# Altium PCB NG2093.PcbDoc (part 3 of 8) (continued)
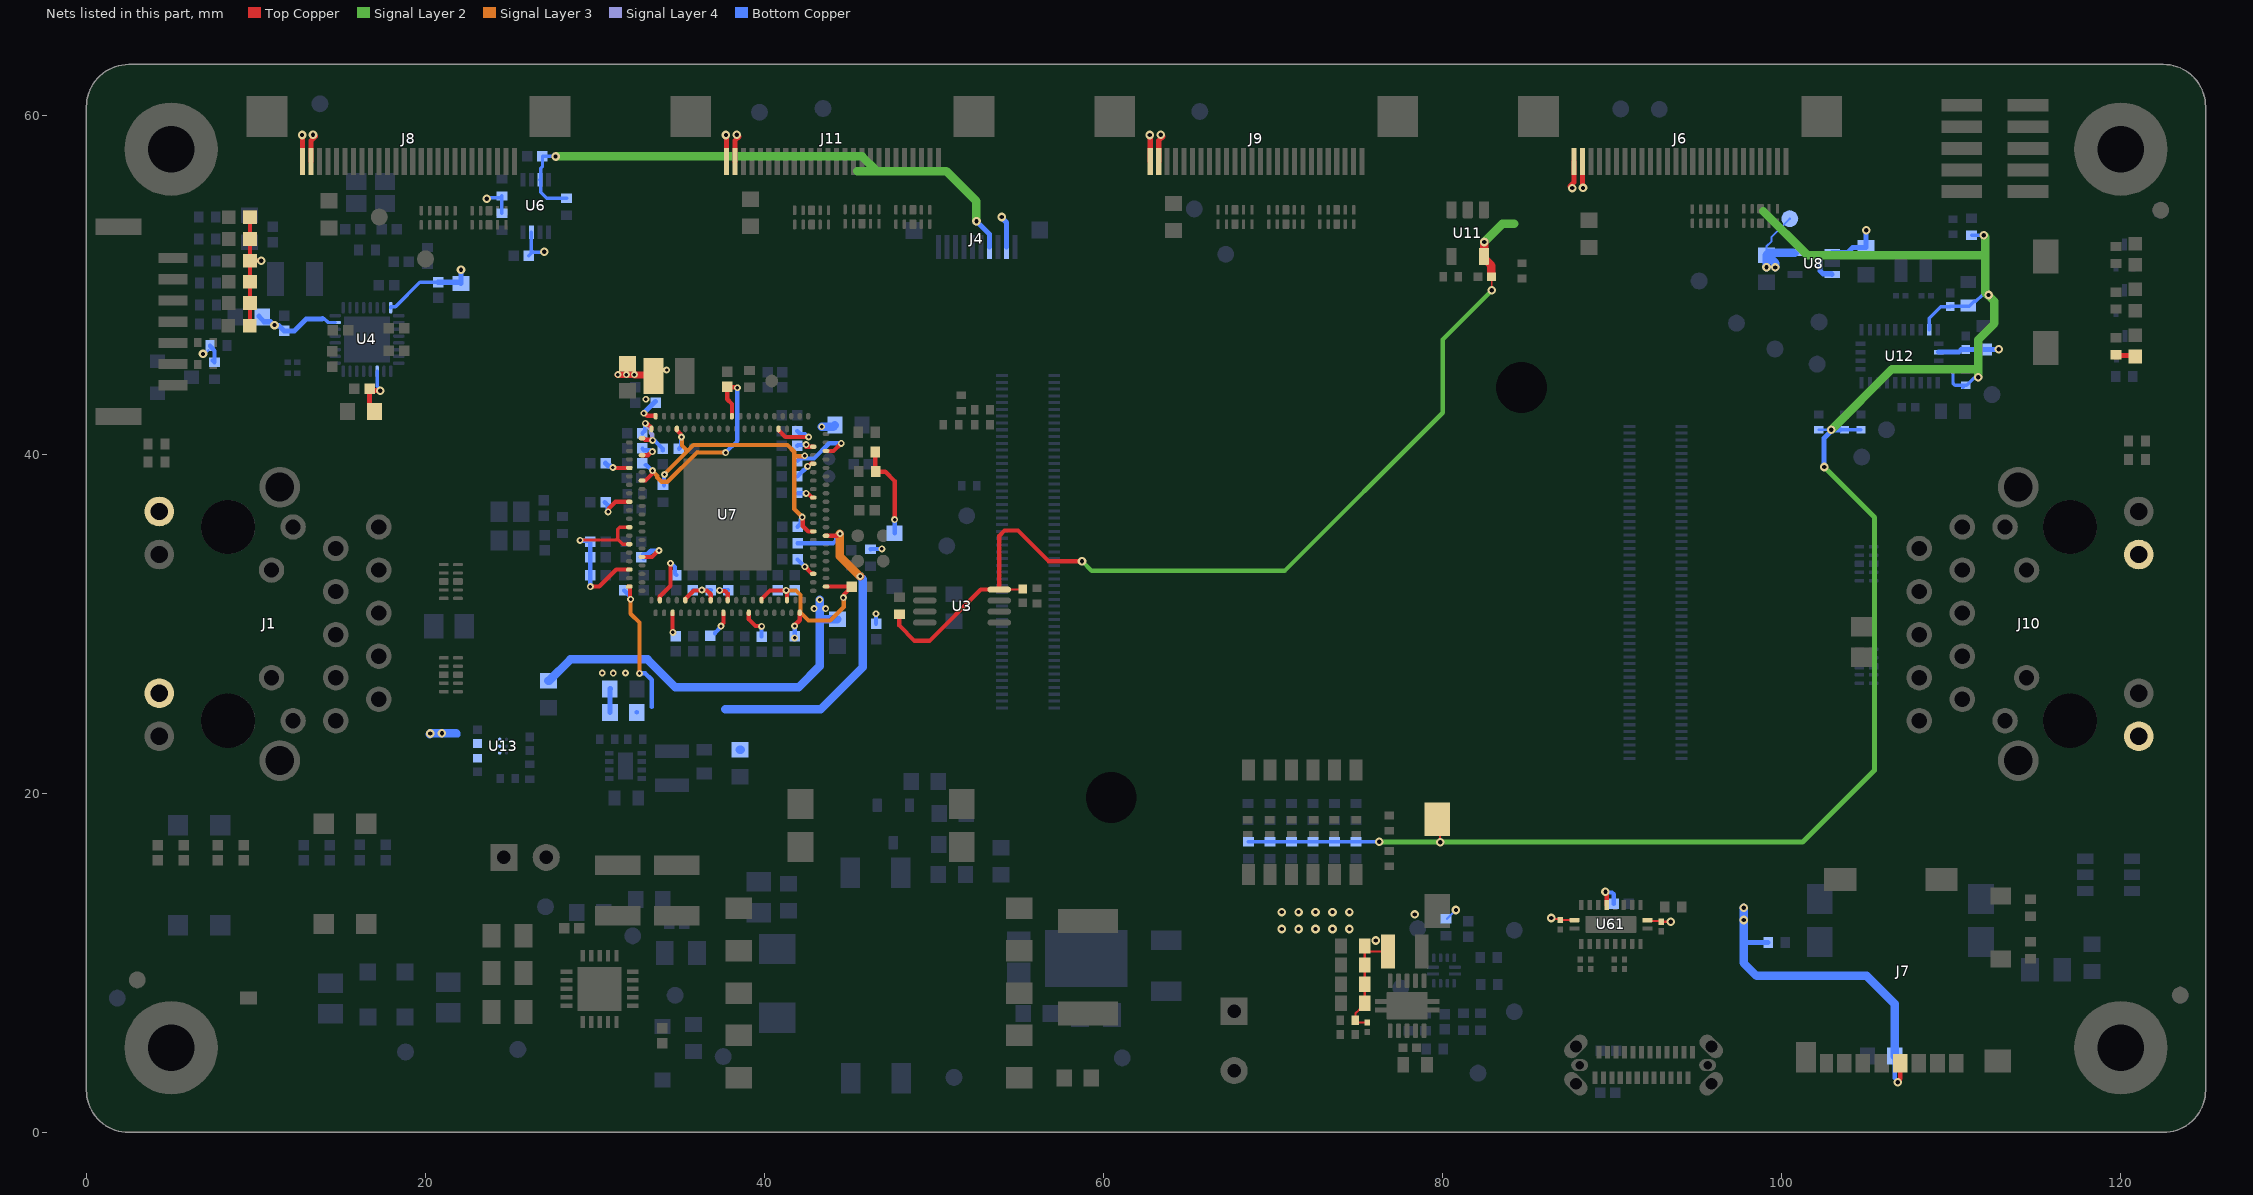
[diagram p7: the nets of this part, all layers, seen from the top]
## Part data (continued)
J4: library part SFV10R-2STE1HLF, "CONN FFC TOP 10POS 0.50MM R/A", Contact Resistance=30mR, Current Rating=500mA, Flammability Rating="UL94 V-0", Housing Color=Black, Insulation Resistance=100MR, Manufacturer 1="Amphenol FCI", Max Operating Temperature=105°C, Max Voltage Rating (AC)=50V, Min Operating Temperature=-55°C, Package Quantity=1, Supplier Part Number 1=609-4306-1-ND, Actuator Material=Glass,Polyphenylene, ComponentLink1Description=https://datasheet.ciiva.com/672/10112793-672039.pdf?src-supplier=Digi-Key, ComponentLink1URL=https://datasheet.ciiva.com/672/10112793-672039.pdf?src-supplier=Digi-Key, ComponentLink2Description=https://datasheet.ciiva.com/672/10112793-672040.pdf?src-supplier=Digi-Key, ComponentLink2URL=https://datasheet.ciiva.com/672/10112793-672040.pdf?src-supplier=Digi-Key, ComponentLink3Description=https://datasheet.ciiva.com/672/10112793-672041.pdf?src-supplier=Digi-Key, ComponentLink3URL=https://datasheet.ciiva.com/672/10112793-672041.pdf?src-supplier=Digi-Key, ComponentLink4Description=https://datasheet.ciiva.com/10368/10112793-10368361.pdf?src-supplier=Avnet, ComponentLink4URL=https://datasheet.ciiva.com/10368/10112793-10368361.pdf?src-supplier=Avnet, Contact Location=Top, Contact Material=Bronze, Contact Plating=Tin, Depth=4.9mm, Gender=Female, Housing Material=Polyamide, Lead Free="Lead Free", Length=10.5mm, Manufacturer Part Number 1=SFV10R-2STE1HLF, Max Voltage Rating (DC)=50V, Mount="Surface Mount", Number of Contacts=10, Number of Positions=10, Number of Rows=1, Orientation="Right Angle", Packaging="Tape and Reel", Pitch=0.5mm, Pricing 1="1=0.63000, 10=0.59300, 25=0.53360, 50=0.47420, 100=0.45440, 250=0.41488, 500=0.39512, 1000=0.32597 (USD)", Radiation Hardening=No, RoHS=Yes, Stock 1=78727, Supplier 1=Digi-Key, Supplier 2=Mouser, Supplier Part Number 2=649-SFV10R-2STE1HLF, System=Connector, Termination=Solder, Voltage Rating=50V, Wire/Cable Type=Straight
J5: "CONN HEADER SMD 10POS 1.27MM", Color=Black, Contact Resistance=30mR, Manufacturer 1="Amphenol FCI", Max Operating Temperature=85°C, Max Voltage Rating (AC)=125V, Min Operating Temperature=-40°C, Package Quantity=93, Supplier Part Number 1=609-6529-ND, ComponentLink1Description=https://datasheet.ciiva.com/18659/20021121-18659066.pdf?src-supplier=Digi-Key, ComponentLink1URL=https://datasheet.ciiva.com/18659/20021121-18659066.pdf?src-supplier=Digi-Key, ComponentLink2Description=https://datasheet.ciiva.com/10033/20021121-10033582.pdf?src-supplier=Avnet, ComponentLink2URL=https://datasheet.ciiva.com/10033/20021121-10033582.pdf?src-supplier=Avnet, Connector Type="Male Pin", Contact Material="Copper Alloy", Contact Mating Length=0.12inch, Contact Plating=Gold, Depth=3.4mm, Housing Color=Black, Housing Material=Thermoplastic, Length=6.35mm, Manufacturer Part Number 1=20021121-00010T1LF, Mount="Surface Mount", Number of Contacts=10, Number of Positions=10, Number of Rows=2, Orientation=Straight, Packaging=Rail/Tube, Pitch=1.27mm, Pricing 1="1=0.77000, 10=0.71800, 100=0.55040, 500=0.47860, 1000=0.39485, 5000=0.34699, 10000=0.32306 (USD)", RoHS=Yes, Row Spacing=0.05inch, Stock 1=1465, Supplier 1=Digi-Key, Supplier 2=Mouser, Supplier 3=TTI, Supplier Part Number 2=649-200211210010T1LF, Supplier Part Number 3=20021121-00010T1LF, Termination=Solder
J6 J8 J9 J11: library part F32R-1A7H1-11026, "26 Position FFC, FPC Connector Contacts, Bottom 0.020\" (0.50mm) Surface Mount, Right Angle", Current Rating=500mA, Flammability Rating="UL94 V-0", Manufacturer 1="Amphenol ICC (FCI)", Max Operating Temperature=105°C, Min Operating Temperature=-40°C, Supplier Part Number 1=609-F32R-1A7H1-11026CT-ND, Voltage Rating=50V, Category=Connectors, ComponentLink1Description=https://cdn.amphenol-icc.com/media/wysiwyg/files/drawing/f32r-f32j.pdf, ComponentLink1URL=https://cdn.amphenol-icc.com/media/wysiwyg/files/drawing/f32r-f32j.pdf, Contact Material=Bronze, Contact Plating=Tin, Manufacturer Part Number 1=F32R-1A7H1-11026, Mount="Surface Mount", Number of Positions=26, Packaging="Tape and Reel", Pitch=0.02inch, Pricing 1="1=0.77, 10=0.721, 100=0.5529, 500=0.4808 (USD)", RoHS=Yes, Stock 1=1709, Supplier 1=Digi-Key, Termination=Solder
J7: library part 104031-0811, "CONN MICRO SD CARD PUSH-PULL R/A", Manufacturer 1=Molex, Supplier Part Number 1=WM6357CT-ND, Manufacturer Part Number 1=104031-0811, Pricing 1="1=2.02000, 10=1.82900, 25=1.71680, 50=1.64220, 100=1.56760, 250=1.41828, 500=1.30630, 1000=1.11969 (USD)", RoHS=No, Stock 1=19400, Supplier 1=Digi-Key, Supplier 2=Newark, Supplier 3=Mouser, Supplier Part Number 2=99R5410, Supplier Part Number 3=538-104031-0811
J12: library part SM07B-GHS-TB(LF)(SN), "Conn Shrouded Header HDR 7 POS 1.25mm Solder RA Side Entry SMD T/R", Color=Natural, Current Rating=1A, Manufacturer 1=JST, Max Operating Temperature=85°C, Min Operating Temperature=-25°C, Voltage Rating (AC)=50V, Category="Headers and Wire Housings", ComponentLink1Description=https://datasheet.ciiva.com/712/egh-712501.pdf?src-supplier=Digi-Key, ComponentLink1URL=https://datasheet.ciiva.com/712/egh-712501.pdf?src-supplier=Digi-Key, ComponentLink2Description=https://datasheet.ciiva.com/730/egh-730606.pdf?src-supplier=Digi-Key, ComponentLink2URL=https://datasheet.ciiva.com/730/egh-730606.pdf?src-supplier=Digi-Key, ComponentLink3Description=https://datasheet.ciiva.com/22728/5438-22728669.pdf?src-supplier=Element14, ComponentLink3URL=https://datasheet.ciiva.com/22728/5438-22728669.pdf?src-supplier=Element14, Connector Type="Outer Shroud Contact", Contact Material=Bronze, Contact Plating=Tin, Fastening Type=Ramp, Housing Color=Natural, Housing Material=Nylon, Lead Free="Lead Free", Manufacturer Part Number 1=SM07B-GHS-TB(LF)(SN), Mount="Surface Mount", Number of Contacts=7, Number of Positions=7, Number of Rows=1, Packaging="Cut Tape", Pitch=0.049inch, Pricing 1="1=0.55000, 10=0.51400, 100=0.39440, 500=0.34298, 1000=0.28295 (USD)", REACH SVHC=Unknown, RoHS=Yes, Stock 1=13, Supplier 1=Digi-Key, Termination=Solder, Wire/Cable Gauge=26AWG
J14: library part CX80B1-24P, "CONN RCPT USB3.1 TYPEC 24POS SMD Vertical", Case/Package=0101, Current Rating=1.25A, Flammability Rating="UL94 V-0", Insulation Color=Black, Manufacturer 1="Hirose Electric Co Ltd", Max Operating Temperature=80°C, Min Operating Temperature=-30°C, Supplier Part Number 1=26-CX80B1-24PCT-ND, ComponentLink1Description="Product page", ComponentLink1URL=https://www.jae.com/en/connectors/series/detail/product/id=66513, ComponentLink2Description=Digikey, ComponentLink2URL=https://www.digikey.com/en/products/detail/jae-electronics/DX07S024WJ3R400/6594044, Connector Type=USB, Contact Material="Copper Alloy", Contact Plating=Gold, Features=Shielded, Gender=Receptacle, Housing Material=Thermoplastic, Length=8.94mm, Manufacturer Part Number 1=CX80B1-24P, Mating Cycles=10000, Mount="Surface Mount,Through Hole,Vertical", Number of Contacts=24, Number of Pins=24, Number of Ports=1, Number of Terminals=24, Orientation=Vertical, Packaging="Tape and Reel", Pitch=0.5mm, Pricing 1="1=2.15000, 10=1.94900, 25=1.82960, 50=1.75000, 100=1.67050, 250=1.51140, 500=1.39208 (USD)", REACH SVHC=Unknown, RoHS=Yes, Shielding=Shielded, Stock 1=939, Supplier 1=Digi-Key, Termination=Solder, USB Standard="USB 3.1"
L1: library part DO1608C-102ML, "IND POWER WIREWOUND 1uH 20% 100KHz FERRITE 2.7A", Case/Package=SMD/SMT, DC Resistance (DCR)=50mR, Inductance=1uH, Inductance Tolerance=20%, Manufacturer 1=Coilcraft, Manufacturer Part Number 1=DO1608C-102MLC, Max DC Current=2.7A, Max Operating Temperature=85°C, Min Operating Temperature=-40°C, Saturation Current=2.9A, Self Resonant Frequency=130MHz, Test Frequency=100kHz, ComponentLink1Description=https://datasheet.ciiva.com/22698/1681900-22698293.pdf?src-supplier=Element14, ComponentLink1URL=https://datasheet.ciiva.com/22698/1681900-22698293.pdf?src-supplier=Element14, ComponentLink2Description=https://datasheet.ciiva.com/22623/1681900-22623607.pdf?src-supplier=Element14, ComponentLink2URL=https://datasheet.ciiva.com/22623/1681900-22623607.pdf?src-supplier=Element14, ComponentLink3Description=https://datasheet.ciiva.com/13142/do1608c-13142540.pdf?src-supplier=Mouser, ComponentLink3URL=https://datasheet.ciiva.com/13142/do1608c-13142540.pdf?src-supplier=Mouser, Core Material=Ferrite, Height=2.92mm, Lead Free="Contains Lead", Length=6.6mm, Mount="Surface Mount", Packaging="Tape and Reel", Pricing 1="1=0.88000, 750=0.64000, 1500=0.49000, 3000=0.38000, 6000=0.31000 (USD)", REACH SVHC="No SVHC", RMS Current (Irms)=2.7A, RoHS=Yes, Stock 1=27185, Supplier 1="Coilcraft Direct", Supplier 2=Mouser, Supplier Part Number 1=DO1608C-102MLC, Supplier Part Number 2=994-DO1608C-102MLC, Termination=SMD/SMT, Tolerance=20%, Width=4.45mm
L2: library part LQH32NH2R2J23L, "FIXED IND 2.2UH 610MA 97MOHM SMD", Case/Package=Nonstandard, Current Rating=610mA, DC Resistance (DCR)=97mR, Inductance=2.2uH, Manufacturer 1=Murata, Max Operating Temperature=125°C, Min Operating Temperature=-40°C, Ratings=AEC-Q200, Self Resonant Frequency=75MHz, Supplier Part Number 1=490-17367-1-ND, Test Frequency=1MHz, Tolerance=5%, ComponentLink1Description=http://search.murata.co.jp/Ceramy/image/img/P02/JELF243A-9146.pdf?src-supplier=Digi-Key, ComponentLink1URL=http://search.murata.co.jp/Ceramy/image/img/P02/JELF243A-9146.pdf?src-supplier=Digi-Key, Composition=Wirewound, Core Material=Ferrite, Manufacturer Part Number 1=LQH32NH2R2J23L, Mount="Surface Mount", Packaging="Tape and Reel", Pricing 1="1=0.42000, 10=0.37400, 100=0.25740, 500=0.21998, 1000=0.16850 (USD)", RoHS=No, Shielding=Unshielded, Stock 1=1873, Supplier 1=Digi-Key, Supplier 2=Mouser, Supplier 3=Arrow, Supplier Part Number 2=81-LQH32NH2R2J23L, Supplier Part Number 3=LQH32NH2R2J23L
L3 L4: library part DFE252012P-1R0M=P2, "FIXED IND 1UH 3.2A 42 MOHM SMD", Case Code (Imperial)=1008, Case Code (Metric)=2520, Current Rating=4.3A, DC Resistance (DCR)=42mR, Inductance=1uH, Manufacturer=Murata, Manufacturer Part Number=DFE252012P-1R0M=P2, Max DC Current=3.2A, Max Operating Temperature=125°C, Min Operating Temperature=-40°C, Supplier Part Number 1=490-10647-1-ND, Test Frequency=1MHz, Tolerance=20%, Case/Package=1008, ComponentLink1Description=http://www.farnell.com/datasheets/2550134.pdf?src-supplier=Farnell, ComponentLink1URL=http://www.farnell.com/datasheets/2550134.pdf?src-supplier=Farnell, ComponentLink2Description=https://www.murata.com/~/media/webrenewal/products/inductor/chip/tokoproducts/wirewoundmetalalloychiptype/m_dfe252012p.ashx?src-supplier=Digi-Key, ComponentLink2URL=https://www.murata.com/~/media/webrenewal/products/inductor/chip/tokoproducts/wirewoundmetalalloychiptype/m_dfe252012p.ashx?src-supplier=Digi-Key, ComponentLink3Description=http://www.murata.com/~/media/webrenewal/products/inductor/chip/tokoproducts/wirewoundmetalalloychiptype/m_dfe252012p.ashx?src-supplier=Digi-Key, ComponentLink3URL=http://www.murata.com/~/media/webrenewal/products/inductor/chip/tokoproducts/wirewoundmetalalloychiptype/m_dfe252012p.ashx?src-supplier=Digi-Key, ComponentLink4Description=http://www.toko.co.jp/products/pdf/inductors/dfe252012p.pdf?src-supplier=Avnet, ComponentLink4URL=http://www.toko.co.jp/products/pdf/inductors/dfe252012p.pdf?src-supplier=Avnet, Composition=Wirewound, Core Material=Ferrite, Depth=2mm, Height - Seated (Max)=0.039inch, Length=0.098inch, Manufacturer 1=Murata, Manufacturer 2=Murata, Manufacturer 3=Murata, Manufacturer 4=Murata, Manufacturer Part Number 1=DFE252012P-1R0M=P2, Manufacturer Part Number 2=DFE252012P-1R0M=P2, Manufacturer Part Number 3=DFE252012P-1R0M=P2, Manufacturer Part Number 4=DFE252012P-1R0M=P2, Mount="Surface Mount", Packaging="Tape and Reel", Pricing 1="1=0.43000, 10=0.37800, 100=0.27030, 500=0.22702, 1000=0.18377 (USD)", Pricing 2="1=0.43000, 10=0.37800, 100=0.27030, 500=0.22702, 1000=0.18377 (USD)", Pricing 3="1=0.43000, 10=0.37900, 50=0.37900, 100=0.27000, 1000=0.18400, 10000=0.14600 (USD)", Pricing 4="1=0.64000, 10=0.56500, 100=0.40500, 500=0.34000, 1000=0.27500 (SGD)", RoHS=Yes, Shielding=Shielded, Stock 1=2560, Stock 2=95, Stock 3=667, Stock 4=41, Supplier 1=Digi-Key, Supplier 2=Digi-Key, Supplier 3=Mouser, Supplier 4=Element14, Supplier Part Number 2=490-10647-6-ND, Supplier Part Number 3=81-DFE252012P-1R0MP2, Supplier Part Number 4=2530071, Width=0.079inch
L5: library part CMP-006-00022-1, "Inductor Power Shielded Wirewound 4.7uH 20% 1MHz Metal 1.4A 0.2Ohm DCR 1008 T/R", Case/Package=1008, Current Rating=2A, DC Resistance (DCR)=200mR, Inductance=4.7uH, Manufacturer 1=Murata, Manufacturer Part Number 1=DFE252012P-4R7M=P2, Max DC Current=1.4A, Supplier Part Number 1=490-10651-2-ND, Core Material=Ferrite, Supplier 1=Digikey
MH1 MH2: library part 9774030243R, "MP ROUND STANDOFF M2X0.4 STEEL 3MM", Manufacturer 1="Wurth Electronics", Supplier Part Number 1=732-7085-1-ND, ComponentLink1Description=http://www.mouser.com/ds/2/445/9774030243R-611455.pdf?src-supplier=Mouser, ComponentLink1URL=http://www.mouser.com/ds/2/445/9774030243R-611455.pdf?src-supplier=Mouser, ComponentLink2Description=http://www.farnell.com/datasheets/1960368.pdf?src-supplier=Farnell, ComponentLink2URL=http://www.farnell.com/datasheets/1960368.pdf?src-supplier=Farnell, ComponentLink3Description=https://katalog.we-online.de/em/datasheet/9774030243R.pdf?src-supplier=Digi-Key, ComponentLink3URL=https://katalog.we-online.de/em/datasheet/9774030243R.pdf?src-supplier=Digi-Key, ComponentLink4Description=http://www.farnell.com/datasheets/1960368.pdf?src-supplier=Newark, ComponentLink4URL=http://www.farnell.com/datasheets/1960368.pdf?src-supplier=Newark, ComponentLink5Description=http://www.farnell.com/datasheets/1960368.pdf?src-supplier=Element14, ComponentLink5URL=http://www.farnell.com/datasheets/1960368.pdf?src-supplier=Element14, Length=0.173inch, Manufacturer Part Number 1=9774030243R, Material=Steel, Outside Diameter=0.171inch, Plating=Tin, Pricing 1="1=0.95000, 10=0.91800, 50=0.79500, 100=0.73900 (USD)", REACH SVHC=Unknown, RoHS=Yes, Stock 1=20568, Supplier 1=Digi-Key, Supplier 2=Mouser, Supplier 3=Element14, Supplier Part Number 2=710-9774030243R, Supplier Part Number 3=2497599, Threaded/Unthreaded=Threaded
MP1 MP2 MP3 MP4: library part MP_Mounting-Holes, "=CurrentFootprint", B - Value="Not a Part", A - Level=0
NT1: library part Net_Tie, "Net tie Top/Bottom layer"
Q1: library part DDTC114YCA-7-F, "TRANS PREBIAS NPN 200MW SOT23-3", Case/Package=SOT-23-3, Collector Emitter Breakdown Voltage=50V, Continuous Collector Current=100mA, Manufacturer 1=Diodes, Max Operating Temperature=150°C, Max Power Dissipation=200mW, Min Operating Temperature=-55°C, Package Quantity=3000, Supplier Part Number 1=DDTC114YCA-FDICT-ND, Transition Frequency=250MHz, Category=BJTs, Collector Emitter Voltage (VCEO)=50V, ComponentLink1Description=https://datasheet.ciiva.com/16615/ds30330-16615737.pdf?src-supplier=Avnet+Europe, ComponentLink1URL=https://datasheet.ciiva.com/16615/ds30330-16615737.pdf?src-supplier=Avnet+Europe, Current Rating=100mA, Element Configuration=Single, Height=1mm, hFE Min=68, Lead Free="Lead Free", Length=3.05mm, Manufacturer Part Number 1=DDTC114YCA-7-F, Max Breakdown Voltage=50V, Max Collector Current=100mA, Max Output Current=100mA, Mount="Surface Mount", Number of Pins=3, Operating Supply Voltage=50V, Packaging="Tape and Reel", Polarity=NPN, Pricing 1="1=0.22000, 10=0.17900, 100=0.07320, 500=0.06106, 1000=0.04243 (USD)", Radiation Hardening=No, RoHS=Yes, Stock 1=18465, Supplier 1=Digi-Key, Supplier 2=Mouser, Supplier 3=Arrow, Supplier Part Number 2=621-DDTC114YCA-F, Supplier Part Number 3=DDTC114YCA-7-F, Voltage Rating (DC)=50V, Weight=0.000282oz, Width=1.4mm
Q2 Q3 Q4: "MOSFET N-CH 20V 0.2A EMT3", Case/Package=SOT-89, Continuous Drain Current (ID)=200mA, Drain to Source Voltage (Vdss)=20V, Input Capacitance=25pF, Manufacturer 1=Rohm, Max Power Dissipation=150mW, Supplier Part Number 1=RE1C002UNTCLCT-ND, ComponentLink1Description=http://www.mouser.com/ds/2/348/re1c002untcl-e-1018231.pdf?src-supplier=Mouser, ComponentLink1URL=http://www.mouser.com/ds/2/348/re1c002untcl-e-1018231.pdf?src-supplier=Mouser, ComponentLink2Description=http://rohmfs.rohm.com/en/techdata_basic/transistor/taping/EMT3_TL_taping.pdf?src-supplier=Digi-Key, ComponentLink2URL=http://rohmfs.rohm.com/en/techdata_basic/transistor/taping/EMT3_TL_taping.pdf?src-supplier=Digi-Key, ComponentLink3Description=http://rohmfs.rohm.com/en/products/databook/datasheet/discrete/transistor/mosfet/re1c002un.pdf?src-supplier=Avnet, ComponentLink3URL=http://rohmfs.rohm.com/en/products/databook/datasheet/discrete/transistor/mosfet/re1c002un.pdf?src-supplier=Avnet, ComponentLink4Description=https://www.rohm.com/datasheet/RE1C002UN/re1c002untcl-e?src-supplier=Digi-Key, ComponentLink4URL=https://www.rohm.com/datasheet/RE1C002UN/re1c002untcl-e?src-supplier=Digi-Key, ComponentLink5Description=http://www.farnell.com/datasheets/2704376.pdf?src-supplier=Newark, ComponentLink5URL=http://www.farnell.com/datasheets/2704376.pdf?src-supplier=Newark, ComponentLink6Description=http://www.farnell.com/datasheets/2704376.pdf?src-supplier=Farnell, ComponentLink6URL=http://www.farnell.com/datasheets/2704376.pdf?src-supplier=Farnell, ComponentLink7Description=http://www.farnell.com/datasheets/2704376.pdf?src-supplier=Element14, ComponentLink7URL=http://www.farnell.com/datasheets/2704376.pdf?src-supplier=Element14, Lead Free="Lead Free", Manufacturer Part Number 1=RE1C002UNTCL, Mount="Surface Mount", Packaging="Tape and Reel", Pricing 1="1=0.20000, 10=0.18200, 100=0.09930, 500=0.06112, 1000=0.04167 (USD)", Rds On Max=1.2R, RoHS=Yes, Stock 1=868886, Supplier 1=Digi-Key
Q5: "P Channel Mosfet -100V -1.5A", Manufacturer 1="ROHM Semiconductor", Manufacturer Part Number 1=RQ6P015SPTR, Supplier Part Number 1=755-RQ6P015SPTR, Supplier 1=Mouser
R1 R19 R20 R21 R22 R23 R28 R29 R31 R32 R43 R45 R46 R49 R50 R63 R78 R83 R89 R183 R185 R186 R213 R214: library part RC0402FR-1310KL, "RES SMD 10K OHM 1% 0402 1/16W Chip Resistor, 0402 [1005 Metric], 10 kohm, RC Series, 50 V, Thick Film, 62.5 mW", Case Code (Imperial)=0402, Case Code (Metric)=1005, Manufacturer 1=Yageo, Max Operating Temperature=155°C, Min Operating Temperature=-55°C, Power Rating=62.5mW, Resistance=10kR, Supplier Part Number 1=67R9960, Temperature Coefficient=100ppm/°C, Tolerance=1%, Voltage Rating=50V, Case/Package=0402, ComponentLink1Description=https://datasheet.ciiva.com/16940/pyu-rc0402-51-rohs-l-6-16940293.pdf?src-supplier=Avnet+Europe, ComponentLink1URL=https://datasheet.ciiva.com/16940/pyu-rc0402-51-rohs-l-6-16940293.pdf?src-supplier=Avnet+Europe, ComponentLink2Description=https://datasheet.ciiva.com/28386/pyu-rc0402-51-rohs-l-6-28386855.pdf?src-supplier=Avnet+Europe, ComponentLink2URL=https://datasheet.ciiva.com/28386/pyu-rc0402-51-rohs-l-6-28386855.pdf?src-supplier=Avnet+Europe, ComponentLink3Description=https://datasheet.ciiva.com/16740/pyu-rc0402-51-rohs-l-6-r-16740602.pdf?src-supplier=Future+Electronics, ComponentLink3URL=https://datasheet.ciiva.com/16740/pyu-rc0402-51-rohs-l-6-r-16740602.pdf?src-supplier=Future+Electronics, ComponentLink4Description=https://datasheet.ciiva.com/8891/pyu-rc0402-51-rohs-l-6-8891339.pdf?src-supplier=Avnet, ComponentLink4URL=https://datasheet.ciiva.com/8891/pyu-rc0402-51-rohs-l-6-8891339.pdf?src-supplier=Avnet, ComponentLink5Description=https://datasheet.ciiva.com/5557/pyu-rc0402-51-rohs-l-6-r-5557997.pdf?src-supplier=Mouser, ComponentLink5URL=https://datasheet.ciiva.com/5557/pyu-rc0402-51-rohs-l-6-r-5557997.pdf?src-supplier=Mouser, ComponentLink6Description=https://datasheet.ciiva.com/7983/1018594-7983533.pdf?src-supplier=Element14, ComponentLink6URL=https://datasheet.ciiva.com/7983/1018594-7983533.pdf?src-supplier=Element14, Composition="Thick Film", Contact Plating=Tin,Matte,Lead, Depth=0.5mm, Lead Free="Lead Free", Length=1mm, Manufacturer Part Number 1=RC0402FR-1310KL, Military Standard=Not, Number of Pins=2, Number of Terminations=2, Packaging="Tape and Reel", Pricing 1="1=0.10000, 25=0.01200, 100=0.00400, 250=0.00400, 500=0.00300, 1000=0.00300 (USD)", Radiation Hardening=No, REACH SVHC="No SVHC", RoHS=Yes, Stock 1=62239, Supplier 1=Newark, Termination=SMD/SMT, Voltage Rating (DC)=50V, Working Voltage=50V
  R28 R29 R43 R46 R49 R50 R78 R83: Supplier 2="Future Electronics", Supplier 3=Mouser, Supplier 4=Element14, Supplier Part Number 2=RC0402FR-1310KL-CUTT, Supplier Part Number 3=603-RC0402FR-1310KL, Supplier Part Number 4=1799235
R2 R7 R9 R16 R44 R53 R54 R55 R56 R60 R61: library part RC0402FR-071KL, "RES SMD 1K OHM 1% 1/16W 0402 1 kOhms ±1% 0.063W, 1/16W Chip Resistor 0402 (1005 Metric) Moisture Resistant Thick Film", Case Code (Imperial)=0402, Case Code (Metric)=1005, Manufacturer 1=Yageo, Max Operating Temperature=155°C, Min Operating Temperature=-55°C, Power Rating=62.5mW, Resistance=1kR, Supplier Part Number 1=311-1.00KLRCT-ND, Temperature Coefficient=100ppm/°C, Tolerance=1%, Voltage Rating=50V, Case/Package=0402, ComponentLink1Description=https://datasheet.ciiva.com/11819/0900766b80c66297-11819477.pdf?src-supplier=RSComponents, ComponentLink1URL=https://datasheet.ciiva.com/11819/0900766b80c66297-11819477.pdf?src-supplier=RSComponents, ComponentLink2Description=https://datasheet.ciiva.com/12666/pyu-rc0402-51-rohs-l-6-r-12666741.pdf?src-supplier=Mouser, ComponentLink2URL=https://datasheet.ciiva.com/12666/pyu-rc0402-51-rohs-l-6-r-12666741.pdf?src-supplier=Mouser, ComponentLink3Description=https://datasheet.ciiva.com/17063/pyu-rc0402-51-rohs-l-6-r-17063193.pdf?src-supplier=Future+Electronics, ComponentLink3URL=https://datasheet.ciiva.com/17063/pyu-rc0402-51-rohs-l-6-r-17063193.pdf?src-supplier=Future+Electronics, ComponentLink4Description=https://datasheet.ciiva.com/22747/1018594-22747513.pdf?src-supplier=Element14, ComponentLink4URL=https://datasheet.ciiva.com/22747/1018594-22747513.pdf?src-supplier=Element14, ComponentLink5Description=https://datasheet.ciiva.com/7849/1018594-7849869.pdf?src-supplier=Element14, ComponentLink5URL=https://datasheet.ciiva.com/7849/1018594-7849869.pdf?src-supplier=Element14, ComponentLink6Description=https://datasheet.ciiva.com/7983/1018594-7983502.pdf?src-supplier=Element14, ComponentLink6URL=https://datasheet.ciiva.com/7983/1018594-7983502.pdf?src-supplier=Element14, ComponentLink7Description=https://datasheet.ciiva.com/7849/1018594-7849871.pdf?src-supplier=Element14, ComponentLink7URL=https://datasheet.ciiva.com/7849/1018594-7849871.pdf?src-supplier=Element14, Composition="Thick Film", Depth=0.5mm, Height=0.32mm, Lead Free="Lead Free", Length=1mm, Manufacturer Part Number 1=RC0402FR-071KL, Military Standard=Not, Number of Pins=2, Packaging="Tape and Reel", Pricing 1="1=0.10000, 10=0.01600, 100=0.00670, 1000=0.00301, 2500=0.00261, 5000=0.00215 (USD)", REACH SVHC=Unknown, RoHS=Yes, Stock 1=60695854, Supplier 1=Digi-Key, Termination=SMD/SMT, Voltage Rating (DC)=50V, Width=0.5mm
R3: library part CRCW060310R0FKEA, "RES SMD 10 OHM 1% 1/10W 0603", Case Code (Imperial)=0603, Case Code (Metric)=1608, Manufacturer 1=Vishay, Max Operating Temperature=155°C, Max Power Dissipation=100mW, Min Operating Temperature=-55°C, Package Quantity=10, Resistance=10R, Supplier Part Number 1=541-10.0HDKR-ND, Temperature Coefficient=100ppm/°C, Tolerance=1%, Voltage Rating=75V, Case/Package=0603, ComponentLink1Description=https://datasheet.ciiva.com/11808/0900766b80d98afc-11808660.pdf?src-supplier=RSComponents, ComponentLink1URL=https://datasheet.ciiva.com/11808/0900766b80d98afc-11808660.pdf?src-supplier=RSComponents, ComponentLink2Description=https://datasheet.ciiva.com/3256/dcrcwe3-3256955.pdf?src-supplier=Avnet, ComponentLink2URL=https://datasheet.ciiva.com/3256/dcrcwe3-3256955.pdf?src-supplier=Avnet, ComponentLink3Description=https://datasheet.ciiva.com/5547/dcrcwe3-109170-5547342.pdf?src-supplier=Mouser, ComponentLink3URL=https://datasheet.ciiva.com/5547/dcrcwe3-109170-5547342.pdf?src-supplier=Mouser, ComponentLink4Description=https://datasheet.ciiva.com/22673/1697337-22673071.pdf?src-supplier=Element14, ComponentLink4URL=https://datasheet.ciiva.com/22673/1697337-22673071.pdf?src-supplier=Element14, ComponentLink5Description=https://datasheet.ciiva.com/2465/dcrcwe3-2465699.pdf?src-supplier=Digi-Key, ComponentLink5URL=https://datasheet.ciiva.com/2465/dcrcwe3-2465699.pdf?src-supplier=Digi-Key, ComponentLink6Description=https://datasheet.ciiva.com/2465/dcrcwe3-2465701.pdf?src-supplier=Digi-Key, ComponentLink6URL=https://datasheet.ciiva.com/2465/dcrcwe3-2465701.pdf?src-supplier=Digi-Key, ComponentLink7Description=https://datasheet.ciiva.com/26316/fld-crcw-e3-data-en-26316582.pdf?src-supplier=Distrelec, ComponentLink7URL=https://datasheet.ciiva.com/26316/fld-crcw-e3-data-en-26316582.pdf?src-supplier=Distrelec, ComponentLink8Description=https://datasheet.ciiva.com/16781/70201119-16781847.pdf?src-supplier=Allied+Electronics, ComponentLink8URL=https://datasheet.ciiva.com/16781/70201119-16781847.pdf?src-supplier=Allied+Electronics, ComponentLink9Description=https://datasheet.ciiva.com/2465/dcrcwe3-2465700.pdf?src-supplier=Digi-Key, ComponentLink9URL=https://datasheet.ciiva.com/2465/dcrcwe3-2465700.pdf?src-supplier=Digi-Key, ComponentLink10Description=https://datasheet.ciiva.com/16740/dcrcwe3-16740661.pdf?src-supplier=Future+Electronics, ComponentLink10URL=https://datasheet.ciiva.com/16740/dcrcwe3-16740661.pdf?src-supplier=Future+Electronics, Composition="Thick Film", Contact Plating=Tin, Depth=0.85mm, Features="Automotive AEC-Q200", Height=0.45mm, Lead Free="Lead Free", Length=1.55mm, Manufacturer Part Number 1=CRCW060310R0FKEA, Military Standard=Not, Mount="Surface Mount", Number of Pins=2, Number of Terminations=2, Packaging="Tape and Reel", Power Rating=100mW, Pricing 1="1=0.10000, 10=0.03400, 100=0.01390, 1000=0.00623, 2500=0.00540 (USD)", REACH SVHC=Unknown, RoHS=Yes, Stock 1=155545, Supplier 1=Digi-Key, Supplier 2=Mouser, Supplier 3=Newark, Supplier Part Number 2=71-CRCW0603-10-E3, Supplier Part Number 3=61M5338, Termination=SMD/SMT, Voltage Rating (DC)=75V, Weight=7.1E-05oz, Width=0.033inch
R4 R51: library part RC0603JR-0718KL, "RES SMD 18K OHM 5% 1/10W 0603", Case Code (Imperial)=0603, Case Code (Metric)=1608, Manufacturer 1=Yageo, Max Operating Temperature=155°C, Max Power Dissipation=100mW, Min Operating Temperature=-55°C, Package Quantity=1, Resistance=18kR, Supplier Part Number 1=311-18KGRCT-ND, Temperature Coefficient=100ppm/°C, Tolerance=5%, Voltage Rating=75V, Voltage Rating (DC)=50V, Case/Package=0603, ComponentLink1Description=https://datasheet.ciiva.com/2452/pyu-r-int-thick-7-2452965.pdf?src-supplier=Digi-Key, ComponentLink1URL=https://datasheet.ciiva.com/2452/pyu-r-int-thick-7-2452965.pdf?src-supplier=Digi-Key, ComponentLink2Description=https://datasheet.ciiva.com/2452/pyu-r-int-thick-7-2452966.pdf?src-supplier=Digi-Key, ComponentLink2URL=https://datasheet.ciiva.com/2452/pyu-r-int-thick-7-2452966.pdf?src-supplier=Digi-Key, ComponentLink3Description=https://datasheet.ciiva.com/2452/pyu-r-int-thick-7-2452967.pdf?src-supplier=Digi-Key, ComponentLink3URL=https://datasheet.ciiva.com/2452/pyu-r-int-thick-7-2452967.pdf?src-supplier=Digi-Key, ComponentLink4Description=https://datasheet.ciiva.com/6169/443971-6169064.pdf?src-supplier=Farnell, ComponentLink4URL=https://datasheet.ciiva.com/6169/443971-6169064.pdf?src-supplier=Farnell, ComponentLink5Description=https://datasheet.ciiva.com/6169/443971-6169066.pdf?src-supplier=Farnell, ComponentLink5URL=https://datasheet.ciiva.com/6169/443971-6169066.pdf?src-supplier=Farnell, Composition="Thick Film", Depth=0.8mm, Features="Moisture Resistant", Height=0.022inch, Lead Free="Lead Free", Length=1.6mm, Manufacturer Part Number 1=RC0603JR-0718KL, Military Standard=Not, Number of Pins=2, Number of Terminations=2, Packaging="Tape and Reel", Power Rating=100mW, Pricing 1="1=0.10000, 10=0.01900, 100=0.00770, 1000=0.00347, 2500=0.00301 (USD)", REACH SVHC="No SVHC", RoHS=Yes, Stock 1=660239, Supplier 1=Digi-Key, Supplier 2="Future Electronics", Supplier 3=Mouser, Supplier Part Number 2=RC0603JR-0718KL-CUTT, Supplier Part Number 3=603-RC0603JR-0718KL, Termination=SMD/SMT, Weight=7.1E-05oz, Width=0.8mm
R5: library part RC0805FR-076R8L, "RES SMD 6.8 OHM 1% 1/8W 0805", Case Code (Imperial)=0805, Case Code (Metric)=2012, Manufacturer 1=Yageo, Max Operating Temperature=155°C, Max Power Dissipation=125mW, Min Operating Temperature=-55°C, Package Quantity=1, Resistance=6.8R, Supplier Part Number 1=311-6.80CRCT-ND, Temperature Coefficient=200ppm/°C, Tolerance=1%, Voltage Rating=150V, Case/Package=0805, ComponentLink1Description=https://datasheet.ciiva.com/11819/0900766b8106beab-11819870.pdf?src-supplier=RSComponents, ComponentLink1URL=https://datasheet.ciiva.com/11819/0900766b8106beab-11819870.pdf?src-supplier=RSComponents, ComponentLink2Description=https://datasheet.ciiva.com/2520/pyu-r-int-thick-7-2520880.pdf?src-supplier=Digi-Key, ComponentLink2URL=https://datasheet.ciiva.com/2520/pyu-r-int-thick-7-2520880.pdf?src-supplier=Digi-Key, ComponentLink3Description=https://datasheet.ciiva.com/12667/rc0805-12667932.pdf?src-supplier=Mouser, ComponentLink3URL=https://datasheet.ciiva.com/12667/rc0805-12667932.pdf?src-supplier=Mouser, ComponentLink4Description=https://datasheet.ciiva.com/7941/444164-7941837.pdf?src-supplier=Element14, ComponentLink4URL=https://datasheet.ciiva.com/7941/444164-7941837.pdf?src-supplier=Element14, ComponentLink5Description=https://datasheet.ciiva.com/2520/pyu-r-int-thick-7-2520878.pdf?src-supplier=Digi-Key, ComponentLink5URL=https://datasheet.ciiva.com/2520/pyu-r-int-thick-7-2520878.pdf?src-supplier=Digi-Key, ComponentLink6Description=https://datasheet.ciiva.com/7941/444164-7941838.pdf?src-supplier=Element14, ComponentLink6URL=https://datasheet.ciiva.com/7941/444164-7941838.pdf?src-supplier=Element14, ComponentLink7Description=https://datasheet.ciiva.com/2520/pyu-r-int-thick-7-2520879.pdf?src-supplier=Digi-Key, ComponentLink7URL=https://datasheet.ciiva.com/2520/pyu-r-int-thick-7-2520879.pdf?src-supplier=Digi-Key, Composition="Thick Film", Depth=1.25mm, Features="Moisture Resistant", Height=0.024inch, Lead Free="Lead Free", Length=0.079inch, Manufacturer Part Number 1=RC0805FR-076R8L, Number of Pins=2, Number of Terminations=2, Packaging="Tape and Reel", Power Rating=125mW, Pricing 1="1=0.10000, 10=0.07200, 100=0.02770, 1000=0.01219, 2500=0.01053 (USD)", REACH SVHC="No SVHC", RoHS=Yes, Stock 1=334321, Supplier 1=Digi-Key, Supplier 2="Future Electronics", Supplier 3=Mouser, Supplier Part Number 2=RC0805FR-076R8L-CUTT, Supplier Part Number 3=603-RC0805FR-076R8L, Termination=SMD/SMT, Voltage Rating (DC)=150V, Width=0.049inch
R6 R25 R82 R99: library part RC0402FR-0722RL, "RES SMD 22 OHM 1% 1/16W 0402", Case Code (Imperial)=0402, Case Code (Metric)=1005, Manufacturer 1=Yageo, Max Operating Temperature=155°C, Min Operating Temperature=-55°C, Power Rating=63mW, Resistance=22R, Supplier Part Number 1=311-22.0LRTR-ND, Temperature Coefficient=100ppm/°C, Tolerance=1%, Voltage Rating=50V, Case/Package=0402, ComponentLink1Description=https://datasheet.ciiva.com/11819/0900766b80c66297-11819462.pdf?src-supplier=RSComponents, ComponentLink1URL=https://datasheet.ciiva.com/11819/0900766b80c66297-11819462.pdf?src-supplier=RSComponents, ComponentLink2Description=https://datasheet.ciiva.com/7849/1018594-7849911.pdf?src-supplier=Element14, ComponentLink2URL=https://datasheet.ciiva.com/7849/1018594-7849911.pdf?src-supplier=Element14, ComponentLink3Description=https://datasheet.ciiva.com/26829/getdatasheetpartid-554995-26829991.pdf?src-supplier=Verical, ComponentLink3URL=https://datasheet.ciiva.com/26829/getdatasheetpartid-554995-26829991.pdf?src-supplier=Verical, ComponentLink4Description=https://datasheet.ciiva.com/7849/1018594-7849912.pdf?src-supplier=Element14, ComponentLink4URL=https://datasheet.ciiva.com/7849/1018594-7849912.pdf?src-supplier=Element14, ComponentLink5Description=https://datasheet.ciiva.com/16930/pyu-rc0402-51-rohs-l-6-r-16930687.pdf?src-supplier=Future+Electronics, ComponentLink5URL=https://datasheet.ciiva.com/16930/pyu-rc0402-51-rohs-l-6-r-16930687.pdf?src-supplier=Future+Electronics, Composition="Thick Film", Depth=0.5mm, Height=0.32mm, Lead Free="Lead Free", Length=1mm, Manufacturer Part Number 1=RC0402FR-0722RL, Military Standard=Not, Number of Pins=2, Packaging="Tape and Reel", Pricing 1="10000=0.00163, 30000=0.00144, 50000=0.00132, 100000=0.00129 (USD)", REACH SVHC=Unknown, RoHS=Yes, Stock 1=23751364, Supplier 1=Digi-Key, Supplier 2=Newark, Supplier 3=Mouser, Supplier Part Number 2=26M6784, Supplier Part Number 3=603-RC0402FR-0722RL, Termination=SMD/SMT, Voltage Rating (DC)=50V, Width=0.5mm
R8 R52: library part CRCW080588K7FKEA, "RES SMD 88.7K OHM 1% 1/8W 0805", Case Code (Imperial)=0805, Case Code (Metric)=2012, Manufacturer 1=Vishay, Max Operating Temperature=155°C, Max Power Dissipation=125mW, Min Operating Temperature=-55°C, Package Quantity=10, Resistance=88.7kR, Supplier Part Number 1=541-88.7KCCT-ND, Temperature Coefficient=100ppm/°C, Tolerance=1%, Voltage Rating=150V, Case/Package=0805, ComponentLink1Description=https://datasheet.ciiva.com/7816/1697337-7816134.pdf?src-supplier=Element14, ComponentLink1URL=https://datasheet.ciiva.com/7816/1697337-7816134.pdf?src-supplier=Element14, ComponentLink2Description=https://datasheet.ciiva.com/2496/dcrcwe3-2496001.pdf?src-supplier=Digi-Key, ComponentLink2URL=https://datasheet.ciiva.com/2496/dcrcwe3-2496001.pdf?src-supplier=Digi-Key, ComponentLink3Description=https://datasheet.ciiva.com/2496/dcrcwe3-2496002.pdf?src-supplier=Digi-Key, ComponentLink3URL=https://datasheet.ciiva.com/2496/dcrcwe3-2496002.pdf?src-supplier=Digi-Key, ComponentLink4Description=https://datasheet.ciiva.com/2496/dcrcwe3-2496003.pdf?src-supplier=Digi-Key, ComponentLink4URL=https://datasheet.ciiva.com/2496/dcrcwe3-2496003.pdf?src-supplier=Digi-Key, ComponentLink5Description=https://datasheet.ciiva.com/7816/1697337-7816135.pdf?src-supplier=Element14, ComponentLink5URL=https://datasheet.ciiva.com/7816/1697337-7816135.pdf?src-supplier=Element14, ComponentLink6Description=https://datasheet.ciiva.com/22705/1697337-22705887.pdf?src-supplier=Element14, ComponentLink6URL=https://datasheet.ciiva.com/22705/1697337-22705887.pdf?src-supplier=Element14, Composition="Thick Film", Contact Plating=Tin, Features="Automotive AEC-Q200", Height=0.02inch, Height - Seated (Max)=0.02inch, Lead Free="Lead Free", Length=0.079inch, Manufacturer Part Number 1=CRCW080588K7FKEA, Number of Pins=2, Number of Terminations=2, Packaging="Tape and Reel", Power Rating=125mW, Pricing 1="1=0.10000, 10=0.06200, 100=0.02540, 1000=0.01142, 2500=0.00991 (USD)", Radiation Hardening=No, REACH SVHC=Unknown, RoHS=Yes, Stock 1=5728, Supplier 1=Digi-Key, Supplier 2=Newark, Supplier 3=Mouser, Supplier Part Number 2=53K0521, Supplier Part Number 3=71-CRCW0805-88.7K-E3, Termination=SMD/SMT, Voltage Rating (DC)=150V, Weight=0.000194oz, Width=0.049inch
R10: library part RC0805FR-0748R7L, "RES SMD 48.7 OHM 1% 1/8W 0805", Case/Package=0805, Case Code (Metric)=2012, Manufacturer 1=Yageo, Max Operating Temperature=155°C, Max Power Dissipation=125mW, Min Operating Temperature=-55°C, Package Quantity=1, Resistance=48.7R, Supplier Part Number 1=311-48.7CRCT-ND, Temperature Coefficient=100ppm/°C, Tolerance=1%, Voltage Rating=150V, Case Code (Imperial)=0805, ComponentLink1Description=https://datasheet.ciiva.com/2457/pyu-r-int-thick-7-2457344.pdf?src-supplier=Digi-Key, ComponentLink1URL=https://datasheet.ciiva.com/2457/pyu-r-int-thick-7-2457344.pdf?src-supplier=Digi-Key, ComponentLink2Description=https://datasheet.ciiva.com/2457/pyu-r-int-thick-7-2457345.pdf?src-supplier=Digi-Key, ComponentLink2URL=https://datasheet.ciiva.com/2457/pyu-r-int-thick-7-2457345.pdf?src-supplier=Digi-Key, ComponentLink3Description=https://datasheet.ciiva.com/2457/pyu-r-int-thick-7-2457346.pdf?src-supplier=Digi-Key, ComponentLink3URL=https://datasheet.ciiva.com/2457/pyu-r-int-thick-7-2457346.pdf?src-supplier=Digi-Key, Composition="Thick Film", Contact Plating=Tin,Matte, Depth=1.25mm, Features="Moisture Resistant", Height=0.024inch, Lead Free="Lead Free", Length=2mm, Manufacturer Part Number 1=RC0805FR-0748R7L, Military Standard=Not, Number of Terminations=2, Packaging="Tape and Reel", Power Rating=125mW, Pricing 1="1=0.10000, 10=0.04000, 100=0.01630, 1000=0.00731, 2500=0.00635 (USD)", Radiation Hardening=No, RoHS=Yes, Stock 1=11096, Supplier 1=Digi-Key, Supplier 2=Mouser, Supplier 3=Arrow, Supplier Part Number 2=603-RC0805FR-0748R7L, Supplier Part Number 3=RC0805FR-0748R7L, Termination=SMD/SMT, Voltage Rating (DC)=150V, Width=0.049inch
R11: library part CRCW080524K3FKEA, "RES SMD 24.3K OHM 1% 1/8W 0805", Case/Package=0805, Case Code (Metric)=2012, Manufacturer 1=Vishay, Max Operating Temperature=155°C, Max Power Dissipation=125mW, Min Operating Temperature=-55°C, Package Quantity=10, Resistance=24.3kR, Supplier Part Number 1=541-24.3KCCT-ND, Temperature Coefficient=100ppm/°C, Tolerance=1%, Voltage Rating=150V, Case Code (Imperial)=0805, ComponentLink1Description=https://datasheet.ciiva.com/11811/0900766b80d98b26-11811485.pdf?src-supplier=RSComponents, ComponentLink1URL=https://datasheet.ciiva.com/11811/0900766b80d98b26-11811485.pdf?src-supplier=RSComponents, ComponentLink2Description=https://datasheet.ciiva.com/5544/dcrcwe3-109170-5544277.pdf?src-supplier=Mouser, ComponentLink2URL=https://datasheet.ciiva.com/5544/dcrcwe3-109170-5544277.pdf?src-supplier=Mouser, ComponentLink3Description=https://datasheet.ciiva.com/2467/dcrcwe3-2467350.pdf?src-supplier=Digi-Key, ComponentLink3URL=https://datasheet.ciiva.com/2467/dcrcwe3-2467350.pdf?src-supplier=Digi-Key, ComponentLink4Description=https://datasheet.ciiva.com/3258/dcrcwe3-3258365.pdf?src-supplier=Avnet, ComponentLink4URL=https://datasheet.ciiva.com/3258/dcrcwe3-3258365.pdf?src-supplier=Avnet, ComponentLink5Description=https://datasheet.ciiva.com/2467/dcrcwe3-2467351.pdf?src-supplier=Digi-Key, ComponentLink5URL=https://datasheet.ciiva.com/2467/dcrcwe3-2467351.pdf?src-supplier=Digi-Key, ComponentLink6Description=https://datasheet.ciiva.com/2467/dcrcwe3-2467352.pdf?src-supplier=Digi-Key, ComponentLink6URL=https://datasheet.ciiva.com/2467/dcrcwe3-2467352.pdf?src-supplier=Digi-Key, ComponentLink7Description=https://datasheet.ciiva.com/22872/70201119-22872331.pdf?src-supplier=Allied+Electronics, ComponentLink7URL=https://datasheet.ciiva.com/22872/70201119-22872331.pdf?src-supplier=Allied+Electronics, ComponentLink8Description=https://datasheet.ciiva.com/3258/dcrcwe3-3258364.pdf?src-supplier=Avnet, ComponentLink8URL=https://datasheet.ciiva.com/3258/dcrcwe3-3258364.pdf?src-supplier=Avnet, ComponentLink9Description=https://datasheet.ciiva.com/17183/dcrcwe3-17183388.pdf?src-supplier=Avnet+Europe, ComponentLink9URL=https://datasheet.ciiva.com/17183/dcrcwe3-17183388.pdf?src-supplier=Avnet+Europe, ComponentLink10Description=https://datasheet.ciiva.com/22705/1697337-22705870.pdf?src-supplier=Element14, ComponentLink10URL=https://datasheet.ciiva.com/22705/1697337-22705870.pdf?src-supplier=Element14, ComponentLink11Description=https://datasheet.ciiva.com/16202/dcrcwe3-16202447.pdf?src-supplier=Future+Electronics, ComponentLink11URL=https://datasheet.ciiva.com/16202/dcrcwe3-16202447.pdf?src-supplier=Future+Electronics, Composition="Thick Film", Contact Plating=Tin, Depth=1.25mm, Features="Automotive AEC-Q200", Height=0.45mm, Lead Free="Lead Free", Length=2mm, Manufacturer Part Number 1=CRCW080524K3FKEA, Military Standard=Not, Mount="Surface Mount", Number of Pins=2, Number of Terminations=2, Packaging="Tape and Reel", Power Rating=125mW, Pricing 1="1=0.10000, 10=0.06200, 100=0.02540, 1000=0.01142, 2500=0.00991 (USD)", Radiation Hardening=No, REACH SVHC=Unknown, RoHS=Yes, Stock 1=7150, Supplier 1=Digi-Key, Supplier 2=Newark, Supplier 3=Mouser, Supplier Part Number 2=53K0042, Supplier Part Number 3=71-CRCW0805-24.3K-E3, Termination=SMD/SMT, Voltage Rating (DC)=150V, Weight=0.000194oz, Width=1.25mm, Working Voltage=150V